# Altium PCB PLC1.PcbDoc (part 1 of 4) (continued)
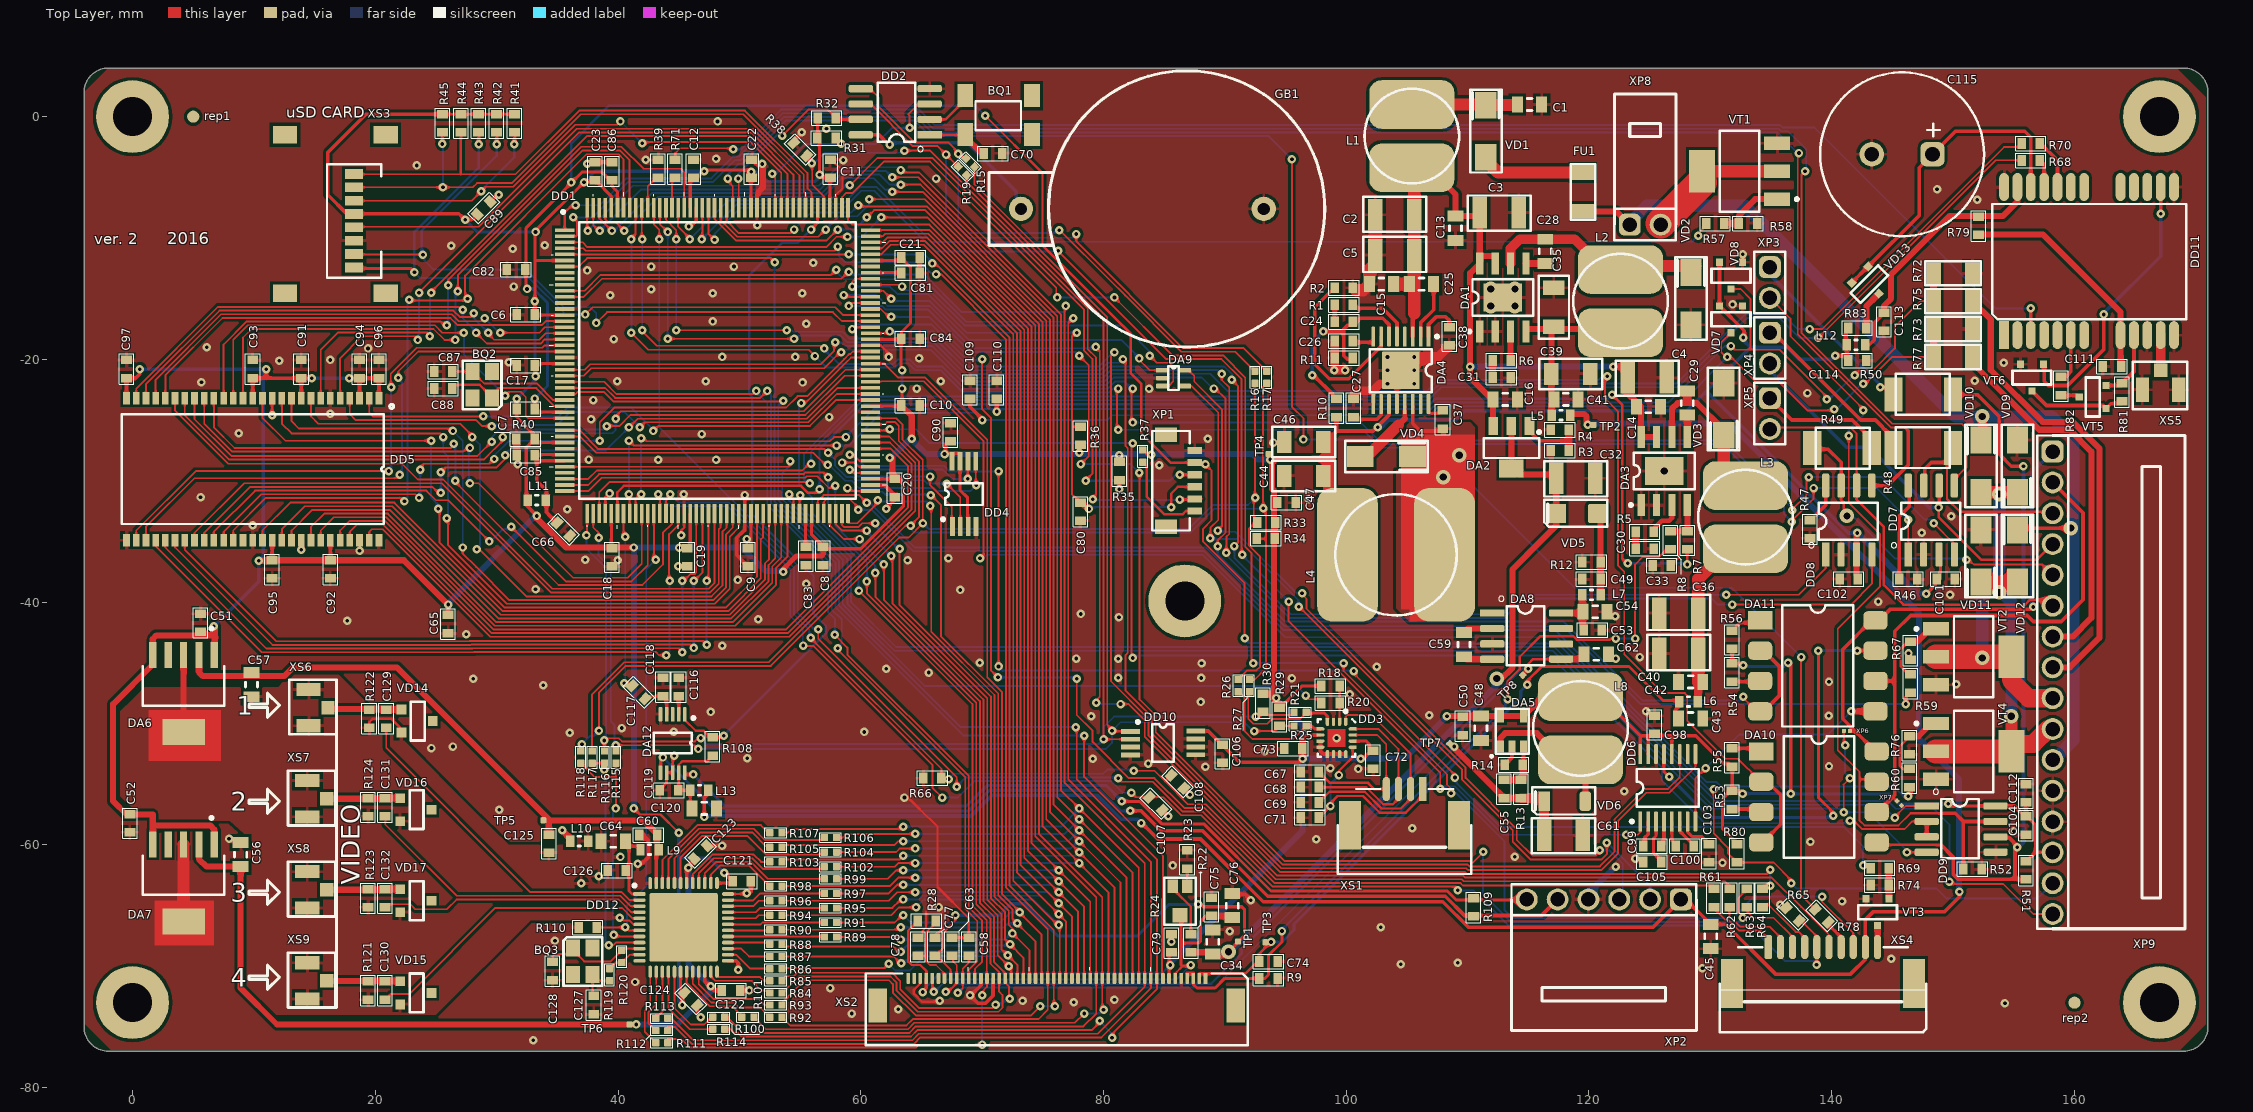
[diagram p0: Top Layer view]
## Components (designator, comment, footprint, x,y, rotation, side; value= is the part's Value field where it differs from the comment) (continued)
R88 "Res_0402" RES_0402 53.5,-68.2 r0 top
R89 "Res_0402" RES_0402 58,-67.6 r0 top
R90 "Res_0402" RES_0402 53.5,-67 r0 top
R91 "Res_0402" RES_0402 58,-66.4 r0 top
R92 "Res_0402" RES_0402 53.5,-74.2 r0 top
R93 "Res_0402" RES_0402 53.5,-73.2 r0 top
R94 "Res_0402" RES_0402 53.5,-65.8 r0 top
R95 "Res_0402" RES_0402 58,-65.2 r0 top
R96 "Res_0402" RES_0402 53.5,-64.6 r0 top
R97 "Res_0402" RES_0402 58,-64 r0 top
R98 "Res_0402" RES_0402 53.5,-63.4 r0 top
R99 "Res_0402" RES_0402 58,-62.8 r0 top
R100 "Res_0402" RES_0402 48.8,-74.2 r0 top
R101 "Res_0402" RES_0402 51.2,-74.2 r0 top
R102 "Res_0402" RES_0402 58,-61.8 r0 top
R103 "Res_0402" RES_0402 53.5,-61.4 r0 top
R104 "Res_0402" RES_0402 58,-60.6 r0 top
R105 "Res_0402" RES_0402 53.5,-60.2 r0 top
R106 "Res_0402" RES_0402 58,-59.4 r0 top
R107 "Res_0402" RES_0402 53.5,-59 r0 top
R108 "4,7k" RES_0603 47.8,-51.9 r270 top
R109 "390" RES_0603 110.5,-65.15 r90 top
R110 "4,7k" RES_0603 37.5,-66.8 r180 top
R111 "Res_0402" RES_0402 44.1,-76.3 r0 top
R112 "Res_0402" RES_0402 44.1,-75.3 r0 top
R113 "Res_0402" RES_0402 44.1,-74.3 r0 top
R114 "Res_0402" RES_0402 48.8,-75.2 r0 top
R115 "Res_0402" RES_0402 39.825,-52.275 r90 top
R116 "Res_0402" RES_0402 38.875,-52.275 r90 top
R117 "Res_0402" RES_0402 37.875,-52.275 r90 top
R118 "Res_0402" RES_0402 36.925,-52.275 r90 top
R119 "Res_0402" RES_0402 39.3,-70.2 r90 top
R120 "Res_0402" RES_0402 40.3,-69.7 r270 top
R121 "75" RES_0603 19.4,-72 r90 top
R122 "75" RES_0603 19.5,-49.6 r270 top
R123 "75" RES_0603 19.4,-64.4 r90 top
R124 "75" RES_0603 19.4,-56.9 r270 top
TP1 "JUMPER" "TEST POINT"#1 90.078,-67.972 r180 top
TP2 "JUMPER" "TEST POINT"#1 120.375,-24.4 r90 top
TP3 "JUMPER" "TEST POINT"#1 92.35,-68.025 r180 top
TP4 "JUMPER" "TEST POINT"#2 91.6,-27.1 r180 top
TP5 "JUMPER" "TEST POINT"#1 33.85,-56.975 r90 top
TP6 "JUMPER" "TEST POINT"#1 40.95,-75.8 r270 top
TP7 "JUMPER" "TEST POINT"#1 107.825,-52.375 r225 top
TP8 "JUMPER" "TEST POINT"#1 115.25,-46.725 r315 top
VD1 "B360A" DO-214AC 111.5,-1.2 r90 top
VD2 "B360A" DO-214AC 128.4,-15 r90 top
VD3 "B360A" DO-214AC 131.1,-24.1 r270 top
VD4 "B360A" DO-214AC 103.3,-28 r0 top
VD5 "3.3V" SOD-123#1 120.7,-32.7 r180 top
VD6 "MBR0560" SOD-123#2 119.7,-56.4 r180 top
VD7 "BAV99" SOT-23 131.7,-16.7 r180 top
VD8 "BAV99" SOT-23 131.7,-13.1 r180 top
VD9 "B360A" DO-214AC 155.3,-28.8 r270 top
VD10 "B360A" DO-214AC 152.3,-28.8 r90 top
VD11 "B360A" DO-214AC 152.3,-36.2 r270 top
VD12 "B360A" DO-214AC 155.3,-36.2 r90 top
VD13 "BAT54A" SOT-23 143.1,-13.8 r225 top
VD14 "RD6.2Z" SC-59 23.5,-49.8 r270 top
VD15 "RD6.2Z" SC-59 23.4,-72.2 r270 top
VD16 "RD6.2Z" SC-59 23.4,-57.1 r270 top
VD17 "RD6.2Z" SC-59 23.4,-64.6 r270 top
VT1 "N-CHAN_SOT-223" SOT-223 132.4,-4.5 r90 top
VT2 "N-CHAN_SOT-223" SOT-223 151.7,-44.5 r270 top
VT3 "N-CHAN_SOT-23" SOT-23 143.775,-65.55 r180 top
VT4 "N-CHAN_SOT-223" SOT-223 151.7,-52.3 r270 top
VT5 "IRLML6402" SOT-23 161.5,-23.1 r90 top
VT6 "N-CHAN_SOT-23" SOT-23 156.5,-21.5 r180 top
XP1 "Connectror 6pin CI1106M1V" CI1106М1V 85.55,-30 r90 top
XP2 "640457-6" 640457-6 114.875,-64.5 r270 top
XP3 "JUMPER" PLS2-R 134.9,-12.4 r0 top
XP4 "JUMPER" PLS2-R 134.9,-17.8 r0 top
XP5 "JUMPER" PLS2-R 134.9,-23.2 r0 top
XP6 "JUMPER" JMPTOPOLOGY 140.5,-50.6 r180 top
XP7 "JUMPER" JMPTOPOLOGY 146.1,-57.1 r315 top
XP8 "640457-2" 640457-2 125.9,-8.9 r90 top
XP9 "1-640457-6" 1-640457-6 158.2,-37.7 r0 top
XS1 "84952-4" "100ZFS-RL-04 TYPE2" 105.8,-55.4 r270 top
XS2 "MOLEX  54104-5033" FB0.5-50 52.7,-71 r0 top
XS3 "microSD-8-CF" microSD-8-cf 18.25,-8.025 r90 top
XS4 "522711079" 522711079 142.275,-68.425 r270 top
XS5 "IPEX/U.FL" "IPEX MHFI" 166.7,-21.6 r90 top
XS6 "IPEX/U.FL" "IPEX MHFI" 15.4,-48.3 r0 top
XS7 "IPEX/U.FL" "IPEX MHFI" 15.3,-55.8 r0 top
XS8 "IPEX/U.FL" "IPEX MHFI" 15.3,-63.3 r0 top
XS9 "IPEX/U.FL" "IPEX MHFI" 15.3,-70.8 r0 top

## Footprints (in the part's own frame and the unit in brackets; to place one, negate y for a bottom-side part, rotate by r counter-clockwise, add the part's x,y. Pads: shape width x height; smd on the part's side, far side on the other; paste and mask are expansions set on the pad)
1-640457-6 [mm] "1-640457-6"
  rrect50% 1.8x1.8 hole 1.2: 1(0,10.1)
  round 1.8 hole 1.2: 2(0,7.56) 3(0,5.02) 4(0,2.48) 5(0,-0.06) 6(0,-2.6) 7(0,-5.14) 8(0,-7.68) 9(0,-10.22) 10(0,-12.76) 11(0,-15.3) 12(0,-17.84) 13(0,-20.38) 14(0,-22.92) 15(0,-25.46) 16(0,-28)
  silkscreen extent -1.27,-29.21 10.92,11.43, body extent -0.25,-29.21 10.79,11.43, height 5.87
90SMX [mm]
  rect 1.3x1.9 smd: 1(0,-3.2) 2(0,0) 3(5.5,-3.2) 4(5.5,0)
  silkscreen extent 0.85,-2.85 4.6,-0.45, body extent -0.77,-3.22 6.33,-0.12, height 1.5
"100ZFS-RL-04 TYPE2" [mm]
  rect 4x1.8 smd: 0(3,3.5) 0(3,-5.5)
  rect 2x0.6 smd: 1(0,0.5)
  oval 2x0.6 smd: 2(0,-0.5) 3(0,-1.5) 4(0,-2.5)
  silkscreen extent 0,-6.5 7,4.5, body extent 0,-6.96 6.55,4.96, height 2.51
"3302X -3-103E" [mm] "RESISTOR VARIABLE"
  rect 0.85x1.1 smd: 1(0.2,-0.8) 3(1.4,-0.8)
  rect 1.2x1.2 smd: 2(0.8,1.6)
  silkscreen extent -0.5,-1.5 2.1,2.4, body extent -0.3,-1.02 1.9,1.88, height 1.1
640457-2 [mm] "640457-2"
  rrect50% 1.8x1.8 hole 1.2: 1(0,2.54)
  round 1.8 hole 1.2: 2(0,0)
  silkscreen extent -1.27,-1.27 10.77,3.81, body extent -0.33,-1.3 10.72,3.78, height 5.87
640457-6 [mm] "640457-6"
  rrect50% 1.8x1.8 hole 1.2: 1(0,12.7)
  round 1.8 hole 1.2: 2(0,10.16) 3(0,7.62) 4(0,5.08) 5(0,2.54) 6(0,0)
  silkscreen extent -1.27,-1.27 10.79,13.97, body extent -0.25,-1.27 10.79,13.97, height 5.87
522711079 [mm] "Molex"
  rect 4x1.8 smd: 0(3,4.5) 0(3,-10.5)
  rrect50% 2x0.6 smd: 1(0,-7.5)
  oval 2x0.6 smd: 2(0,-6.5) 3(0,-5.5) 4(0,-4.5) 5(0,-3.5) 6(0,-2.5) 7(0,-1.5) 8(0,-0.5) 9(0,0.5) 10(0,1.5)
  silkscreen extent 0,-11.5 7,5.5, body extent -0.25,-11.5 8.45,5.5, height 3
C_0805 [mm] "Chip, Body 1.6x0.85mm, IPC High Density"
  rect 0.9x1.3 smd: 1(-1,0) 2(1,0)
  silkscreen extent -0.2,-0.5 0.2,0.5, body extent -1,-0.62 1,0.63, height 0.78
CAP1206 [mm] "Capacitor 1206"
  rect 1.2x1.8 smd: 1(0,0) 2(3.2,0)
  silkscreen extent -1,-1.25 4.2,1.25, body extent 0.03,-0.77 3.22,0.82, height 1.25
CAP1210 [mm] "Capacitor 1210"
  rect 1.2x2.6 smd: 1(0,-0.1) 2(3.2,-0.1)
  silkscreen extent -1,-1.5 4.2,1.4, body extent 0.1,-1.38 3.3,1.12, height 0.95
CAP_0603 [mm]
  rect 0.7x0.9 smd: 1(-0.75,0) 2(0.75,0)
  silkscreen extent -1.25,-0.6 1.25,0.6, body extent -0.8,-0.4 0.8,0.4, height 0.8
CI1106М1V [mm] "СI1106М1V - 6 pin SMD connector, 1 mm pitch"
  rect 1.2x1.8 smd: 0(-3.8,0.4) 0(3.8,0.4)
  rect 0.6x1.2 smd: 1(-2.5,-1.95) 2(-1.5,-1.95) 3(-0.5,-1.95) 4(0.5,-1.95) 5(1.5,-1.95) 6(2.5,-1.95)
  silkscreen extent -4.1,-1.55 4.1,1.55, body extent -4,-2.2 4,1.4, height 4.25
DIP8_GULL [mm]
  rect 2x1.5 smd: 1(0,0)
  rrect50% 2x1.5 smd: 2(0,-2.5) 3(0,-5) 4(0,-7.5) 5(9.5,-7.5) 6(9.5,-5) 7(9.5,-2.5) 8(9.5,0)
  silkscreen extent 1.84,-8.75 7.66,1.25, body extent -0.22,-8.67 9.67,1.22, height 4.3
DO-214AC [mm]
  rect 2.2x1.75 smd: 1(-2.15,0) 2(2.15,0)
  silkscreen extent -3.4,-1.3 3.4,1.3, body extent -2.5,-1.35 2.5,1.35, height 2.2
F-QFP24X24-G176/N [mm] "176-Pin Plastic Quad Flat Pack (TQFP)"
  rect 1.6x0.3 smd: 1(-12.6,10.75) 2(-12.6,10.25) 3(-12.6,9.75) 4(-12.6,9.25) 5(-12.6,8.75) 6(-12.6,8.25) 7(-12.6,7.75) 8(-12.6,7.25) 9(-12.6,6.75) 10(-12.6,6.25) 11(-12.6,5.75) 12(-12.6,5.25) 13(-12.6,4.75) 14(-12.6,4.25) 15(-12.6,3.75) 16(-12.6,3.25) 17(-12.6,2.75) 18(-12.6,2.25) 19(-12.6,1.75) 20(-12.6,1.25) 21(-12.6,0.75) 22(-12.6,0.25) 23(-12.6,-0.25) 24(-12.6,-0.75) 25(-12.6,-1.25) 26(-12.6,-1.75) 27(-12.6,-2.25) 28(-12.6,-2.75) 29(-12.6,-3.25) 30(-12.6,-3.75) 31(-12.6,-4.25) 32(-12.6,-4.75) 33(-12.6,-5.25) 34(-12.6,-5.75) 35(-12.6,-6.25) 36(-12.6,-6.75) 37(-12.6,-7.25) 38(-12.6,-7.75) 39(-12.6,-8.25) 40(-12.6,-8.75) 41(-12.6,-9.25) 42(-12.6,-9.75) 43(-12.6,-10.25) 44(-12.6,-10.75) 89(12.6,-10.75) 90(12.6,-10.25) 91(12.6,-9.75) 92(12.6,-9.25) 93(12.6,-8.75) 94(12.6,-8.25) 95(12.6,-7.75) 96(12.6,-7.25) 97(12.6,-6.75) 98(12.6,-6.25) 99(12.6,-5.75) 100(12.6,-5.25) 101(12.6,-4.75) 102(12.6,-4.25) 103(12.6,-3.75) 104(12.6,-3.25) 105(12.6,-2.75) 106(12.6,-2.25) 107(12.6,-1.75) 108(12.6,-1.25) 109(12.6,-0.75) 110(12.6,-0.25) 111(12.6,0.25) 112(12.6,0.75) 113(12.6,1.25) 114(12.6,1.75) 115(12.6,2.25) 116(12.6,2.75) 117(12.6,3.25) 118(12.6,3.75) 119(12.6,4.25) 120(12.6,4.75) 121(12.6,5.25) 122(12.6,5.75) 123(12.6,6.25) 124(12.6,6.75) 125(12.6,7.25) 126(12.6,7.75) 127(12.6,8.25) 128(12.6,8.75) 129(12.6,9.25) 130(12.6,9.75) 131(12.6,10.25) 132(12.6,10.75)
  rect 0.3x1.6 smd: 45(-10.75,-12.6) 46(-10.25,-12.6) 47(-9.75,-12.6) 48(-9.25,-12.6) 49(-8.75,-12.6) 50(-8.25,-12.6) 51(-7.75,-12.6) 52(-7.25,-12.6) 53(-6.75,-12.6) 54(-6.25,-12.6) 55(-5.75,-12.6) 56(-5.25,-12.6) 57(-4.75,-12.6) 58(-4.25,-12.6) 59(-3.75,-12.6) 60(-3.25,-12.6) 61(-2.75,-12.6) 62(-2.25,-12.6) 63(-1.75,-12.6) 64(-1.25,-12.6) 65(-0.75,-12.6) 66(-0.25,-12.6) 67(0.25,-12.6) 68(0.75,-12.6) 69(1.25,-12.6) 70(1.75,-12.6) 71(2.25,-12.6) 72(2.75,-12.6) 73(3.25,-12.6) 74(3.75,-12.6) 75(4.25,-12.6) 76(4.75,-12.6) 77(5.25,-12.6) 78(5.75,-12.6) 79(6.25,-12.6) 80(6.75,-12.6) 81(7.25,-12.6) 82(7.75,-12.6) 83(8.25,-12.6) 84(8.75,-12.6) 85(9.25,-12.6) 86(9.75,-12.6) 87(10.25,-12.6) 88(10.75,-12.6) 133(10.75,12.6) 134(10.25,12.6) 135(9.75,12.6) 136(9.25,12.6) 137(8.75,12.6) 138(8.25,12.6) 139(7.75,12.6) 140(7.25,12.6) 141(6.75,12.6) 142(6.25,12.6) 143(5.75,12.6) 144(5.25,12.6) 145(4.75,12.6) 146(4.25,12.6) 147(3.75,12.6) 148(3.25,12.6) 149(2.75,12.6) 150(2.25,12.6) 151(1.75,12.6) 152(1.25,12.6) 153(0.75,12.6) 154(0.25,12.6) 155(-0.25,12.6) 156(-0.75,12.6) 157(-1.25,12.6) 158(-1.75,12.6) 159(-2.25,12.6) 160(-2.75,12.6) 161(-3.25,12.6) 162(-3.75,12.6) 163(-4.25,12.6) 164(-4.75,12.6) 165(-5.25,12.6) 166(-5.75,12.6) 167(-6.25,12.6) 168(-6.75,12.6) 169(-7.25,12.6) 170(-7.75,12.6) 171(-8.25,12.6) 172(-8.75,12.6) 173(-9.25,12.6) 174(-9.75,12.6) 175(-10.25,12.6) 176(-10.75,12.6)
  silkscreen extent -13.85,-13.85 13.85,13.85, body extent -12.87,-12.9 12.9,12.88, height 1.55
FB0.5-50 [mm] "050ZFS-RU-50 type 2"
  rect 1.5x2.8 smd: 0(8.7,-2.25) 0(38.2,-2.25)
  rect 0.3x0.9 smd: 1(35.7,0)
  rrect50% 0.3x0.9 smd: 2(35.2,0) 3(34.7,0) 4(34.2,0) 5(33.7,0) 6(33.2,0) 7(32.7,0) 8(32.2,0) 9(31.7,0) 10(31.2,0) 11(30.7,0) 12(30.2,0) 13(29.7,0) 14(29.2,0) 15(28.7,0) 16(28.2,0) 17(27.7,0) 18(27.2,0) 19(26.7,0) 20(26.2,0) 21(25.7,0) 22(25.2,0) 23(24.7,0) 24(24.2,0) 25(23.7,0) 26(23.2,0) 27(22.7,0) 28(22.2,0) 29(21.7,0) 30(21.2,0) 31(20.7,0) 32(20.2,0) 33(19.7,0) 34(19.2,0) 35(18.7,0) 36(18.2,0) 37(17.7,0) 38(17.2,0) 39(16.7,0) 40(16.2,0) 41(15.7,0) 42(15.2,0) 43(14.7,0) 45(13.7,0) 46(13.2,0) 47(12.7,0) 48(12.2,0) 49(11.7,0) 50(11.2,0)
  oct 0.3x0.9 smd: 44(14.2,0)
  silkscreen extent 7.7,-5.5 39.2,0.9, body extent 8.2,-6.88 38.7,0.28, height 2
HTSSO5X6-G16 [mm] "Shrink Small Outline; 16 Leads; Body Width 4.4 mm; Pitch 0.65 mm"
  rect 0.3x1.65 smd: 1(-2.275,-2.775)
  rrect50% 0.3x1.65 smd: 2(-1.625,-2.775) 3(-0.975,-2.775) 4(-0.325,-2.775) 5(0.325,-2.775) 6(0.975,-2.775) 7(1.625,-2.775) 8(2.275,-2.775) 9(2.275,2.775) 10(1.625,2.775) 11(0.975,2.775) 12(0.325,2.775) 13(-0.325,2.775) 14(-0.975,2.775) 15(-1.625,2.775) 16(-2.275,2.775)
  rrect5% 3.1x3.1 smd: 17(0,0)
  silkscreen extent -3.1,-2.9 2.55,1.8, body extent -2.5,-3.18 2.5,3.23, height 1
"IPEX MHFI" [mm] "SOT23, 3-Leads, Body 2.9x1.3mm, Pitch 0.95mm, Lead Span 2.3mm - Reverse Pinning, IPC Medium Density"
  rect 1.1x1.1 smd: 1(0.7,-0.4)
  rect 2x1.1 smd: 2(-0.9,1.1) 2(-0.9,-1.9)
  silkscreen extent -2.5,-2.6 1.4,1.9, body extent -2.45,-1.9 0.65,1.1, height 1.25
JMPTOPOLOGY [mm] "JMP"
  rrect20% 0.33x0.33 smd: 1(-1,0) 2(-0.5,0)
KEYSTONE-1066 [mm] "Bat holder"
  round 2 hole 1: 1(0,0) 2(20,0)
  silkscreen extent -5.03,-11.38 22.63,11.38, body extent -4.8,-11.5 22.63,11.5, height 8.67
KR-5R5C104-R [mm] "ionister 0.1 F"
  rrect50% 2x2 hole 1.2: 1(5,0)
  round 2 hole 1.2: 2(10,0)
  silkscreen extent 0.75,-6.75 14.25,6.75, body extent 0.76,-6.75 14.24,6.7
microSD-8-cf [mm] "microSD-8-cf, microSD card connector"
  rect 1.45x2 smd: 0(-6.53,-2.6) 0(-6.53,5.7) 0(6.53,-2.6) 0(6.53,5.7)
  rect 0.8x1.5 smd: 1(3.3,0) 2(2.2,0) 3(1.1,0) 4(0,0) 5(-1.1,0) 6(-2.2,0) 7(-3.3,0) 8(-4.4,0)
  silkscreen extent -5.25,-2.23 4.1,2.23, body extent -7.3,-5.15 7.3,9.35, height 1.93
PLS2-R [mm] "PLS2-R"
  rrect50% 1.8x1.8 hole 1.2: 1(0,0)
  round 1.8 hole 1.2: 2(0,-2.54)
  silkscreen extent -1.27,-3.8 1.27,1.27, body extent -1.27,-3.82 7.35,1.27, height 5.45
QFN3X3-16 [mm] "Quad Flat No Lead, Plastic; 16 Terminals; Body 3 x 3 mm; Pitch 0.5 mm"
  rect 0.28x0.28 smd: 1(-0.75,-1.515) 2(-0.25,-1.515) 3(0.25,-1.515) 4(0.75,-1.515) 5(1.515,-0.75) 6(1.515,-0.25) 7(1.515,0.25) 8(1.515,0.75) 9(0.75,1.515) 10(0.25,1.515) 11(-0.25,1.515) 12(-0.75,1.515) 13(-1.515,0.75) 14(-1.515,0.25) 15(-1.515,-0.25) 16(-1.515,-0.75)
  oval 0.28x0.66 smd: 1(-0.75,-1.325) 2(-0.25,-1.325) 3(0.25,-1.325) 4(0.75,-1.325) 9(0.75,1.325) 10(0.25,1.325) 11(-0.25,1.325) 12(-0.75,1.325)
  oval 0.66x0.28 smd: 5(1.325,-0.75) 6(1.325,-0.25) 7(1.325,0.25) 8(1.325,0.75) 13(-1.325,0.75) 14(-1.325,0.25) 15(-1.325,-0.25) 16(-1.325,-0.75)
  Top Layer region: -0.75,-0.75 0.75,-0.75 0.75,0.75 -0.75,0.75
  silkscreen extent -1.55,-2.33 1.55,1.55, body extent -1.52,-1.52 1.52,1.52, height 0.9
QFN48.7X7 [mm] "48-Pin Thin Quad Flat Pack 0.5 mm Pitch, IPC Medium Density"
  rrect50% 1x0.3 smd: 1(-3.65,2.75)
  oval 1x0.3 smd: 2(-3.625,2.25) 3(-3.625,1.75) 4(-3.625,1.25) 5(-3.625,0.75) 6(-3.625,0.25) 7(-3.625,-0.25) 8(-3.625,-0.75) 9(-3.625,-1.25) 10(-3.625,-1.75) 11(-3.625,-2.25) 12(-3.625,-2.75) 25(3.65,-2.75) 26(3.65,-2.25) 27(3.65,-1.75) 28(3.65,-1.25) 29(3.65,-0.75) 30(3.65,-0.25) 31(3.65,0.25) 32(3.65,0.75) 33(3.65,1.25) 34(3.65,1.75) 35(3.65,2.25) 36(3.65,2.75)
  oval 0.3x1 smd: 13(-2.75,-3.65) 14(-2.25,-3.65) 15(-1.75,-3.65) 16(-1.25,-3.65) 17(-0.75,-3.65) 18(-0.25,-3.65) 19(0.25,-3.65) 20(0.75,-3.65) 21(1.25,-3.65) 22(1.75,-3.65) 23(2.25,-3.65) 24(2.75,-3.65) 37(2.75,3.65) 38(2.25,3.65) 39(1.75,3.65) 40(1.25,3.65) 41(0.75,3.65) 42(0.25,3.65) 43(-0.25,3.65) 44(-0.75,3.65) 45(-1.25,3.65) 46(-1.75,3.65) 47(-2.25,3.65) 48(-2.75,3.65)
  rrect5% 5.65x5.65 smd: 49(0,0)
  silkscreen extent -4.17,3.33 -3.92,3.57, body extent -3.5,-3.51 3.51,3.5, height 0.83
R_IND_0603 [mm] "Chip, Body 1.6x0.85mm, IPC High Density"
  rect 0.7x0.95 smd mask+0.05: 1(-0.75,0) 2(0.75,0)
  silkscreen extent -0.1,-0.4 0.1,0.4, body extent -0.8,-0.4 0.8,0.4, height 0.45
RES_0402 [mm] "RES and IND"
  rrect20% 0.6x0.6 smd: 1(-1,0) 2(0,0)
  silkscreen extent -1.4,-0.4 0.4,0.4, body extent -1,-0.25 0,0.25, height 0.3
RES_0603 [mm] "RES and IND"
  rect 0.7x0.9 smd: 1(-0.75,0) 2(0.75,0)
  silkscreen extent -1.25,-0.6 1.25,0.6, body extent -0.85,-0.4 0.85,0.4, height 0.56
Res_0603 [mm] "RES and IND"
  rect 0.7x0.9 smd: 1(-0.75,0) 2(0.75,0)
  silkscreen extent -1.25,-0.6 1.25,0.6, body extent -0.85,-0.4 0.85,0.4, height 0.56
RES_1206 [mm]
  rect 1.2x1.8 smd: 1(0,0) 2(3.2,0)
  silkscreen extent -0.7,-1 3.9,1, body extent -0.07,-0.86 3.28,0.87, height 0.85
RES_2010 [mm] "2010"
  rect 1.5x2.8 smd: 1(-0.4,0) 2(4.5,0)
  silkscreen extent -0.13,-1.73 4.33,1.65, body extent -0.5,-1.25 4.5,1.25, height 0.6
S-PDSO-G10 [mm] "Shrink Small Outline; 10 Leads; Body Width 3 mm; Pitch 0.5 mm"
  rrect50% 0.3x1.2 smd: 1(-1,-2.35) 2(-0.5,-2.35) 3(0,-2.35) 4(0.5,-2.35) 5(1,-2.35) 6(1,2.45) 7(0.5,2.45) 8(0,2.45) 9(-0.5,2.45) 10(-1,2.45)
  silkscreen extent -1.83,-2.17 1.58,0.85, body extent -1.5,-2.5 1.5,2.5, height 1.1
SC-59 [mm] "SOT23, 3-Leads, Body 2.9x1.3mm, Pitch 0.95mm, Lead Span 2.3mm - Reverse Pinning, IPC Medium Density"
  rect 0.8x0.8 smd: 1(-0.95,-1.35) 2(0.95,-1.35) 3(0,1.225)
  silkscreen extent -1.6,-0.58 1.6,0.58, body extent -1.52,-1.47 1.48,1.32, height 1.36
SO-G8/E3 [mm] "Small Outline; 8 Leads; Body Width 3.9 mm; Pitch 1.27 mm"
  rect 0.6x1.8 smd: 1(-1.905,-2.8) 2(-0.635,-2.8) 3(0.635,-2.8) 4(1.905,-2.8) 5(1.905,2.8) 6(0.635,2.8) 7(-0.635,2.8) 8(-1.905,2.8)
  rect 3.2x2.3 smd: 9(0,0)
  silkscreen extent -2.88,-2.92 2.5,1.5, body extent -2.5,-2.89 2.4,2.89, height 1.45
SOD-123#1 [mm]
  rrect30% 1.6x1.6 smd: 1(0,0)
  rect 1.6x1.6 smd: 2(3.4,0)
  silkscreen extent -0.82,-1.14 4.39,1.1, body extent -0.17,-0.82 3.43,0.83, height 0.95
SOD-123#2 [mm]
  rrect50% 0.95x1.6 smd: 1(0,0)
  rect 0.95x1.6 smd: 2(3.4,0)
  silkscreen extent -0.82,-1.14 4.39,1.1, body extent -0.17,-0.82 3.43,0.83, height 0.95
SOIC8 [mm]
  rect 2x0.6 smd: 1(0.125,0)
  rrect50% 2x0.6 smd: 2(0.125,-1.27) 3(0.125,-2.54) 4(0.125,-3.81) 5(5.8,-3.8) 6(5.8,-2.55) 7(5.8,-1.275) 8(5.8,0)
  silkscreen extent 0.66,-4.3 4.4,1.4, body extent 0.08,-4.35 5.85,0.55, height 1.45
SOT23-5 [mm]
  rect 1x0.6 smd: 1(0,0) 2(0,-0.95) 3(0,-1.9) 4(2.5,-1.9) 5(2.5,0)
  silkscreen extent -0.88,-2.32 3.13,0.8, body extent 0.03,-2.45 2.53,0.55, height 1.1
SOT323-5L [mm]
  rect 1.05x0.4 smd: 1(0,0)
  rrect50% 1.05x0.4 smd: 2(0,-0.65) 3(0,-1.3) 4(1.85,-1.3) 5(1.85,0)
  silkscreen extent 0.49,-1.63 1.36,0.33, body extent -0.12,-1.65 1.97,0.35, height 0.92
SOT-23 [mm] "SOT23, 3-Leads, Body 2.9x1.3mm, Pitch 0.95mm, Lead Span 2.3mm - Reverse Pinning, IPC Medium Density"
  rect 0.6x0.6 smd: 1(-0.95,-1.1) 2(0.95,-1.1) 3(0,1.1)
  silkscreen extent -1.6,-0.58 1.6,0.58, body extent -1.46,-1.25 1.46,1.23, height 1.01
SOT-89 [mm] "SOT-223/SC-73; 4 Leads; Body 6.7 x 7.3 mm, inc. leads (LxW max)"
  rect 0.8x1.5 smd: 1(-1.5,-1) 2(0,-1) 3(1.5,-1)
  rect 2x1.5 smd: 4(0,2.5)
  silkscreen extent -2.41,-0.63 2.29,1.63, body extent -2.25,-1.27 2.25,2.72, height 1.5
SOT-223 [mm] "SOT-223/SC-73; 4 Leads; Body 6.7 x 7.3 mm, inc. leads (LxW max)"
  rect 1.1x2.15 smd: 1(-2.3,-3.1) 2(0,-3.1) 3(2.3,-3.1)
  rect 3.5x2.15 smd: 4(0,3.1)
  silkscreen extent -3.35,-4.85 3.35,1.63, body extent -3.25,-3.47 3.25,3.47, height 1.64
SOT-223-6 [mm] "SOT-223-6/SC-73; 6Leads; Body 6.7 x 7.3 mm, inc. leads (LxW max)"
  rect 0.6x2.15 smd: 1(-2.54,-2.54) 2(-1.27,-2.54) 3(0,-2.54) 4(1.27,-2.54) 5(2.54,-2.54)
  rect 3.5x2.15 smd: 6(0,3.81)
  silkscreen extent -3.35,-4.85 3.35,1.63, body extent -3.27,-3.12 3.28,4.14, height 1.8
SS0704 [mm] "Chip Inductor, Body o7.5mm"
  rrect50% 7x4 smd: 1(0,2.6) 2(0,-2.6)
  silkscreen extent -3.9,-3.9 3.9,3.9, body extent -3.75,-3.75 3.75,3.75, height 4
SS1004 [mm] "Chip Inductor, Body o10mm"
  rrect50% 11x5 smd: 1(0,4) 2(0,-4)
  silkscreen extent -5,-5 5,5, body extent -5.36,-5.49 5.4,5.29, height 7
"TEST POINT"#1 [mm] "TEST POINT"
  rrect40% 0.5x0.5 smd: 1(-1,0)
"TEST POINT"#2 [mm] "TEST POINT"
  rrect40% 0.5x0.5 smd: 1(-2,0.7)
TSOP-54 [mm]
  rect 1x0.55 smd: 1(0,0) 2(0,-0.8) 3(0,-1.6) 4(0,-2.4) 5(0,-3.2) 6(0,-4) 7(0,-4.8) 8(0,-5.6) 9(0,-6.4) 10(0,-7.2) 11(0,-8) 12(0,-8.8) 13(0,-9.6) 14(0,-10.4) 15(0,-11.2) 16(0,-12) 17(0,-12.8) 18(0,-13.6) 19(0,-14.4) 20(0,-15.2) 21(0,-16) 22(0,-16.8) 23(0,-17.6) 24(0,-18.4) 25(0,-19.2) 26(0,-20) 27(0,-20.8) 28(11.7,-20.8) 29(11.7,-20) 30(11.7,-19.2) 31(11.7,-18.4) 32(11.7,-17.6) 33(11.7,-16.8) 34(11.7,-16) 35(11.7,-15.2) 36(11.7,-14.4) 37(11.7,-13.6) 38(11.7,-12.8) 39(11.7,-12) 40(11.7,-11.2) 41(11.7,-10.4) 42(11.7,-9.6) 43(11.7,-8.8) 44(11.7,-8) 45(11.7,-7.2) 46(11.7,-6.4) 47(11.7,-5.6) 48(11.7,-4.8) 49(11.7,-4) 50(11.7,-3.2) 51(11.7,-2.4) 52(11.7,-1.6) 53(11.7,-0.8) 54(11.7,0)
  silkscreen extent 0.52,-21.2 10.37,1.21, body extent 0,-21.53 11.76,0.69, height 1.3
TSSO3X5-G8/X.4 [mm] "Shrink Small Outline, MSOP; 8 Leads; Body Width 3 mm; Pitch 0.65 mm"
  rect 0.4x1.55 smd: 1(-0.95,-2.675) 2(-0.3,-2.675) 3(0.35,-2.675) 4(1,-2.675) 5(0.975,2.7) 6(0.325,2.7) 7(-0.325,2.7) 8(-0.975,2.7)
  silkscreen extent -1.85,-2.2 1.55,0.9, body extent -1.53,-3.2 1.57,3.2, height 1.15
TSSO5X6-G16 [mm] "Shrink Small Outline; 16 Leads; Body Width 4.4 mm; Pitch 0.65 mm"
  rect 0.3x1.65 smd: 1(-2.275,-2.775)
  rrect50% 0.3x1.65 smd: 2(-1.625,-2.775) 3(-0.975,-2.775) 4(-0.325,-2.775) 5(0.325,-2.775) 6(0.975,-2.775) 7(1.625,-2.775) 8(2.275,-2.775) 9(2.275,2.775) 10(1.625,2.775) 11(0.975,2.775) 12(0.325,2.775) 13(-0.325,2.775) 14(-0.975,2.775) 15(-1.625,2.775) 16(-2.275,2.775)
  silkscreen extent -3.1,-2.9 2.55,1.55, body extent -2.5,-3.17 2.5,3.23, height 1
TSX-3225 [mm]
  rect 1.4x1.15 smd: 0(-1.1,0.8) 0(1.1,-0.8) 1(1.1,0.8) 2(-1.1,-0.8)
  silkscreen extent -2,-1.6 2,1.6, body extent -1.62,-1.25 1.58,1.25, height 0.6
VK1612U [mm]
  rect 2.3x0.8 smd: 1(9.2,-12.6)
  oval 2.3x0.8 smd: 2(9.2,-11.5) 3(9.2,-10.4) 4(9.2,-9.3) 5(9.2,-8.2) 6(9.2,-7.1) 7(9.2,-6) 8(9.2,-3) 9(9.2,-1.9) 10(9.2,-0.8) 11(9.2,0.3) 12(9.2,1.4) 13(-3,1.4) 14(-3,0.3) 15(-3,-0.8) 16(-3,-1.9) 17(-3,-3) 18(-3,-6) 19(-3,-7.1) 20(-3,-8.2) 21(-3,-9.3) 22(-3,-10.4) 23(-3,-11.5) 24(-3,-12.6)
  silkscreen extent -1.6,-13.57 7.9,2.42, body extent -2.9,-13.6 9.3,2.4, height 2.4

## Part data
C6 C7 C8 C9 C10 C11 C12 C17 C18 C19 C20 C21 C22 C23 C24 C26 C27 C33 C55 C65 C66 C67 C68 C69 C70 C71 C74 C75 C77 C78 C79 C80 C81 C82 C83 C84 C85 C86 C87 C88 C89 C90 C91 C92 C93 C94 C95 C96 C97 C98 C99 C100 C101 C102 C103 C104 C105 C106 C107 C108 C109 C110 C111 C112 C113 C114 C116 C117 C118 C119 C121 C122 C123 C124 C125 C126 C127 C128 C129 C130 C131 C132: library part Cap_0603
C15 C25 C48 C120: library part Cap_0805
C30 C31 C37: library part Cap_0603, "10% X7R 0603"
C35 C39 C44 C46: library part Cap_1206
C38 C47 C49 C50 C51 C52 C53 C58 C60 C63 C72 C73: library part Cap_0603, "16V 0.1uF 10% X7R"
C115: library part KR-5R5C104-R, "supercapacitor 0.22 uF"
DA1: library part IFX91041EJV33
DA3: library part IFX91041EJV33, "IFX91041EJV"
DA5: "TPS61041 step-Up"
DA9: library part USBDF01W6, "Unidirectional 2 lines Filter + ESD"
DA10 DA11 DD9: "RS-485 PHY"
DD1: "MCU"
DD3: "Touchscreen controller"
DD4: library part M95640
DD5: "DRAM"
DD6: "RS-232 PHY CAN PHY"
DD7 DD8: "SN65HVD234D CAN PHY"
DD10: "LM75BDP TEMPERATURE SENSOR"
DD11: "GPS receiver"
FU1: library part SF-1206S050, "Fuse 0.5A"
GB1: library part Battery_3V, "Keystone - 1066"
L2 L3: library part SS0704100YS
L4: library part SS1004470YS
L5 L6 L7 L9 L10 L11 L12 L13: library part FCM1608KF-601T03
R1 R41 R42 R43 R44 R45 R65 R66: library part Res_0603, "0603, 51k"
R2 R18 R28 R29 R30 R31 R32 R33 R34 R39 R40 R51 R52 R61 R62 R63 R64 R79 R80 R108 R110: library part Res_0603, "0603, 100"
R3 R4 R20 R53 R54 R55 R56 R68 R69 R70 R71 R83 R109: library part Res_0603, "0603, 390"
R5 R6 R7 R8 R11 R13 R14 R78 R121 R122 R123 R124: library part Res_0603, "0603"
R9: library part Res_0805, "0603 2.7 Ohm 1% 0.125W"
R10: library part Res_0603, "0603, 5.1k"
R12 R35 R36 R38 R46 R47 R58 R67 R74 R76 R81: library part Res_0603, "0603, 10k"
R15 R16 R17 R19 R21 R25 R26 R27 R37 R84 R85 R86 R87 R88 R89 R90 R91 R92 R93 R94 R95 R96 R97 R98 R99 R100 R101 R102 R103 R104 R105 R106 R107 R111 R112 R113 R114 R115 R116 R117 R118 R119 R120: "0402"
R22: library part Res_0603, "0603, 15k"
R23: library part Res_0603, "0603, 6.8k"
R24: library part 3302X-3-103E
R48 R49 R50: library part Res_2010, "2010"
R57 R59 R60 R82: library part Res_0603, "0603, 22"
TP1 TP2 TP3 TP4 TP5 TP6 TP7 TP8: library part TEST_POINT_SMALL, "JUMPER 2.54"
VD1 VD2 VD3 VD4 VD9 VD10 VD11 VD12: library part S1A
VD5: library part BZT52-C3V3S, "BZT52-C3V3S"
VT5: library part P-CHAN_SOT-23
XP1: library part СI1106М1V, "CON 6pin СI1106М1V Гнездо Розетка"
XP3 XP4 XP5: library part "PLS-2 R", "JUMPER 2.54"
XP6 XP7: library part TOPOLOGYJMP, "JUMPER 2.54"
XS1: library part 100ZFS-RL-04
XS2: library part FB0.5-50
XS5 XS6 XS7 XS8 XS9: "IPEX/U.FL male pcb SMT"

## Free pads (board coordinates)
  round 6 hole 3.2: 0(0,-73) 0(0,0) 0(86.7,-39.9) 0(167,-73) 0(167,0)
  round 1 smd: 1(5,0) 1(160,-73)

## Via types
v1: diameter 0.7, hole 0.3, Top Layer to Bottom Layer, tented both sides, 670 vias
v2: diameter 1.2, hole 0.6, Top Layer to Bottom Layer, tented both sides, 16 vias
v3: diameter 0.7, hole 0.3, Top Layer to Bottom Layer, tented top, 1 vias

## Nets (pads, with @x,y where several pads share a name; then routed paths per layer and width w, separated by ;. In a path a pad name is that pad's centre, name@x,y a point inside that pad or via, vN(x,y) a via of type N, cw(c..) or ccw(c..) an arc to the next point about the centre after c; other vN are vias at no path point)
1W_TEMP: DD1.107 R80.2 XP9.15 | length 124.6
  Top Layer w0.15: DD1.107@60.8,-21.85 61.65,-21.85 61.7,-21.8 62.972,-21.8 62.975,-21.802 65.175,-21.802 70.12,-26.748 70.12,-36.38 70,-36.5 69.875,-36.375 v1(69.825,-36.375) ; v1(130.281,-55.428) 130.281,-59.056 131.45,-60.225 131.45,-60.7 R80.2@132.2,-61.45 135.2,-61.45 136.675,-62.925 v1(136.675,-63.15)
  Bottom Layer w0.15: v1(69.825,-36.375) 69.875,-36.375 70,-36.5 70.4,-36.1 88.178,-36.1 94.978,-42.9 117.356,-42.9 129.903,-55.447 v1@130.1,-55.447 ; v1(136.675,-63.15) 137.125,-63.6 148.65,-63.6 149.477,-64.427 156.933,-64.427 XP9.15@158.2,-63.16